# Allegro board 6089-103-RevB_76.brd (continued)
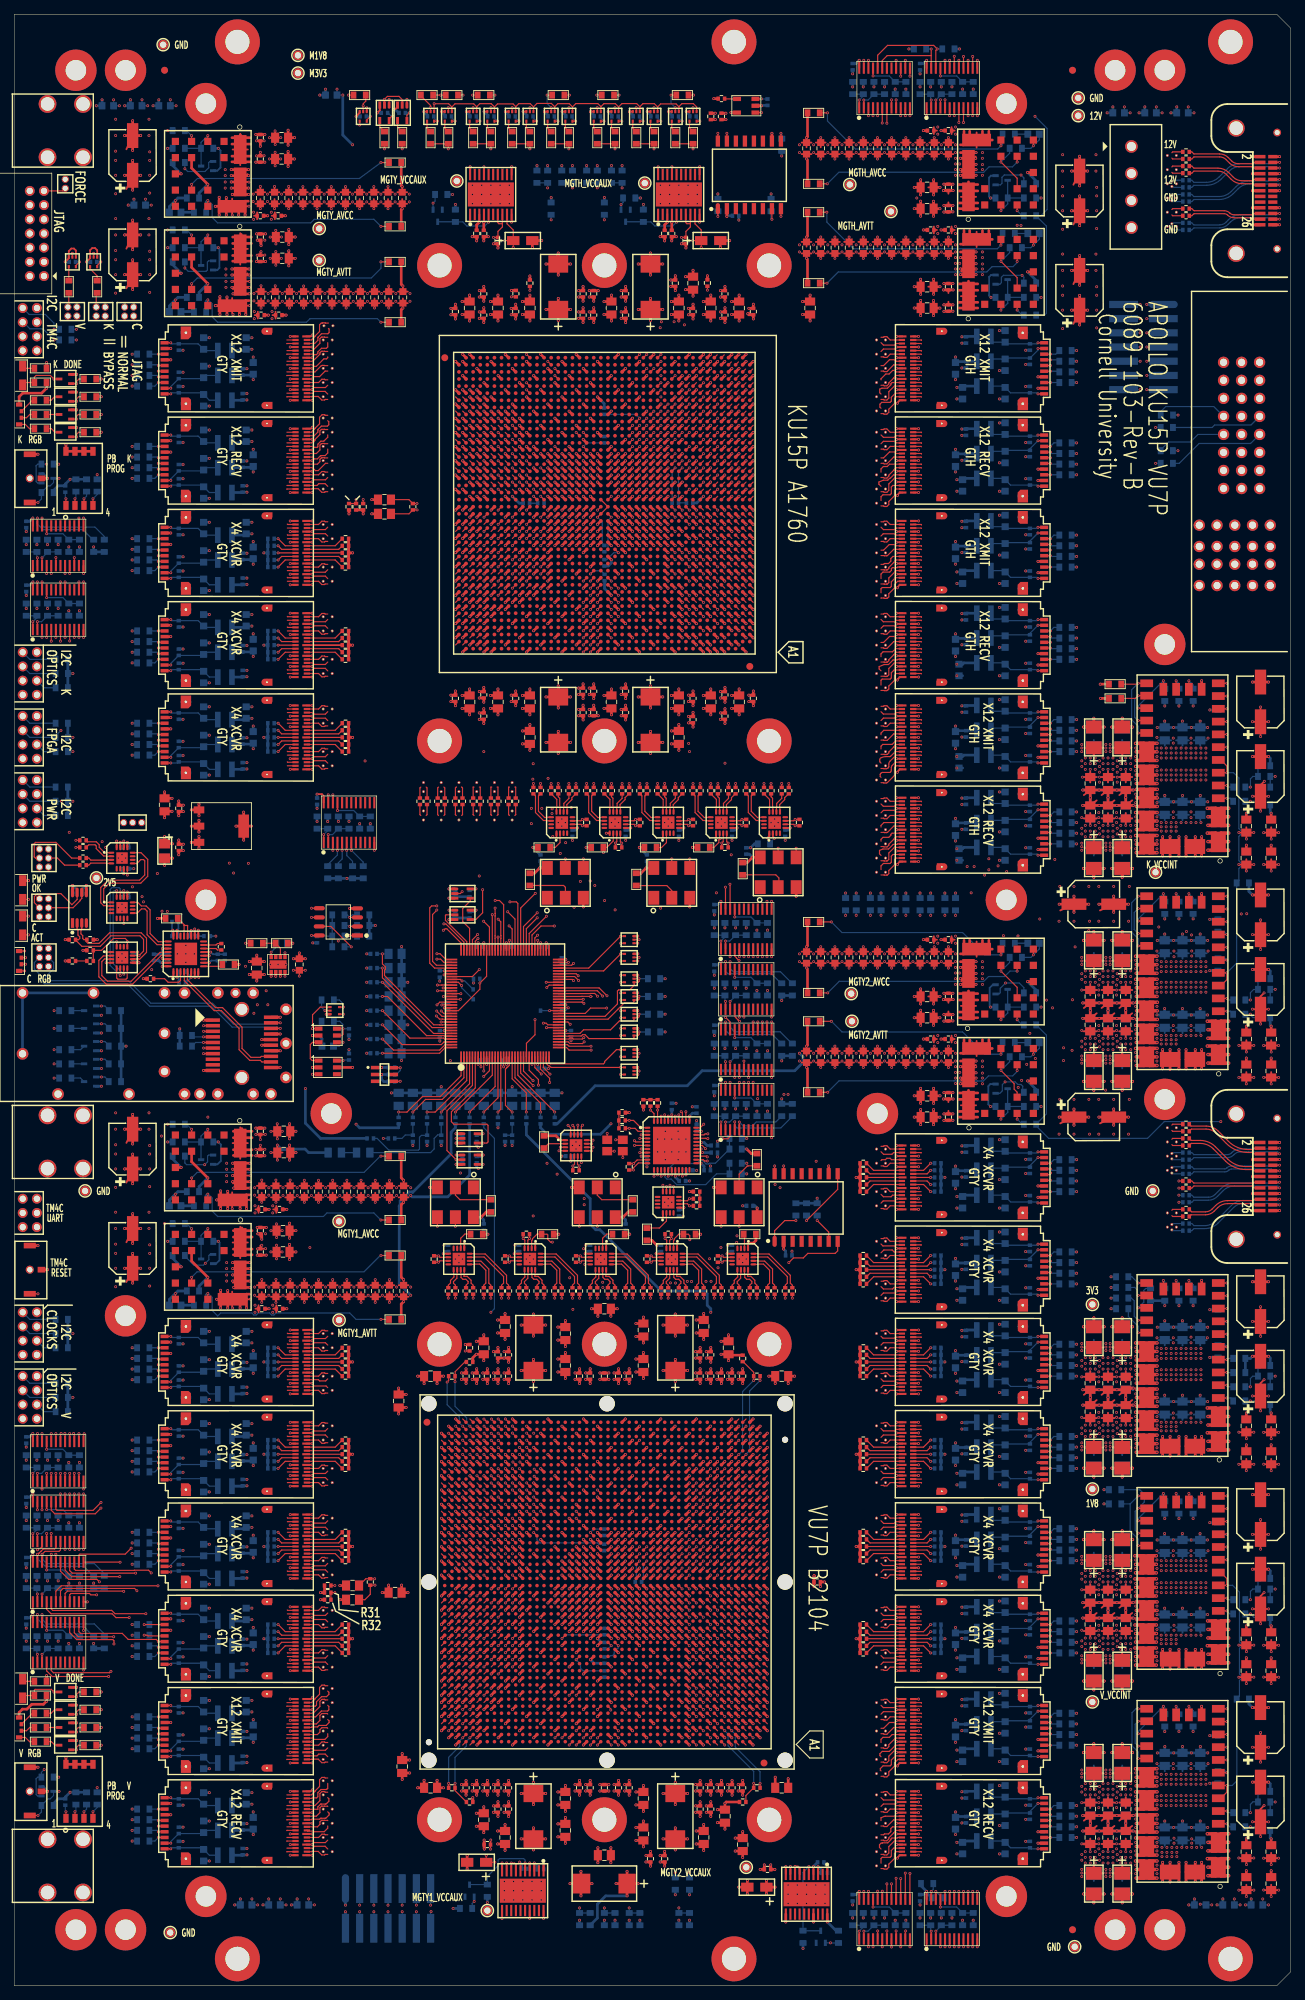
[diagram p0: board, top side]
## Routing (per net, layer and track width the routed paths; a pad name or vN(x,y) marks a point on that pad's centre or on a via; arc(x,y) is an arc through that point) (continued)
 172.81,202.06 ; P1.P2-5 171.33,202.06 ; P1.P2-5 171.33,203.54 ; P1.P2-5 173.05,202.8 ; P1.P2-5 172.07,203.78 ; P1.P2-5 172.81,203.54 ; P1.P2-5 172.07,201.82 ; VA22.3 45.22,173.9 ; VA22.3 45.02,174.31 ; VA22.3 45.16,173.58 ; VA22.3 45.25,173.71 ; VA22.3 44.84,174.28 ; VA22.3 45.16,174.22 ; VA22.3 44.84,173.52 ; VA22.3 45.25,174.09 ; 43.56,229.9 43.56,230.28 ; 43.56,229.9 43.24,229.58 ; 43.56,229.9 43.15,229.71 ; 43.56,229.9 43.15,230.09 ; 43.56,229.9 43.18,229.9 ; 43.56,229.9 43.38,229.49 ; 43.56,229.9 43.24,230.22 ; 43.56,229.9 43.56,229.52 ; 162.15,257.71 VA137.4 ; VA137.4 162.56,258.28 ; VA137.4 162.18,257.9 ; VA137.4 162.24,258.22 ; VA137.4 162.56,257.52 ; VA137.4 162.38,257.49 ; VA137.4 162.15,258.09 ; VA137.4 162.24,257.58 ; VA91.3 122.83,176.28 ; VA91.3 123.02,176.31 ; VA91.3 123.22,175.9 ; VA91.3 123.25,175.71 ; VA91.3 123.16,175.58 ; VA91.3 123.16,176.22 ; VA91.3 122.83,175.52 ; VA91.3 123.25,176.09 ; 121.24,232.22 VA65.4 ; VA65.4 121.56,231.52 ; VA65.4 121.56,232.28 ; VA65.4 121.24,231.58 ; VA65.4 121.15,232.09 ; VA65.4 121.15,231.71 ; VA65.4 121.38,231.49 ; VA65.4 121.18,231.9 ; J6.5 1.58,107.77 ; J6.5 2.07,107.28 ; J6.5 1.2,106.02 ; J6.5 1.2,107.78 ; J6.5 2.08,106.9 ; J6.5 1.87,106.23 ; J6.5 2.07,106.52 ; J6.5 1.87,107.57 ; P1.P2-10 168.05,205.8 ; P1.P2-10 167.81,206.54 ; P1.P2-10 166.33,205.06 ; P1.P2-10 166.33,206.54 ; P1.P2-10 167.81,205.06 ; P1.P2-10 167.07,204.82 ; P1.P2-10 166.09,205.8 ; P1.P2-10 167.07,206.78 ; 121.15,73.09 VA115.4 ; VA115.4 121.56,73.28 ; VA115.4 121.15,72.71 ; VA115.4 121.38,72.49 ; VA115.4 121.56,72.52 ; VA115.4 121.24,72.58 ; VA115.4 121.18,72.9 ; VA115.4 121.24,73.22 ; 121.24,222.22 VA70.4 ; VA70.4 121.15,221.71 ; VA70.4 121.18,221.9 ; VA70.4 121.56,222.28 ; VA70.4 121.38,221.49 ; VA70.4 121.15,222.09 ; VA70.4 121.56,221.52 ; VA70.4 121.24,221.58 ; 121.56,182.52 VA88.4 ; VA88.4 121.18,182.9 ; VA88.4 121.56,183.28 ; VA88.4 121.15,182.71 ; VA88.4 121.38,182.49 ; VA88.4 121.24,182.58 ; VA88.4 121.24,183.22 ; VA88.4 121.15,183.09 ; VA24.4 45.25,91.71 ; VA24.4 45.02,92.31 ; VA24.4 45.22,91.9 ; VA24.4 45.25,92.09 ; VA24.4 45.16,92.22 ; VA24.4 44.84,92.28 ; VA24.4 44.84,91.52 ; VA24.4 45.16,91.58 ; 121.24,45.22 VA124.4 ; VA124.4 121.15,45.09 ; VA124.4 121.56,45.28 ; VA124.4 121.38,44.49 ; VA124.4 121.15,44.71 ; VA124.4 121.18,44.9 ; VA124.4 121.56,44.52 ; VA124.4 121.24,44.58 ; U21.G2 24.93,210.62 ; U21.G2 23.81,208.97 ; U21.G2 24.21,210.84 ; U21.G2 23.49,209.18 ; U21.G2 23.49,210.62 ; U21.G2 24.21,208.96 ; U21.G2 24.93,209.18 ; U21.G2 25.15,209.9 ; 43.38,203.49 43.56,203.9 ; 43.56,203.9 43.24,203.58 ; 43.56,203.9 43.15,204.09 ; 43.56,203.9 43.24,204.22 ; 43.56,203.9 43.56,204.28 ; 43.56,203.9 43.18,203.9 ; 43.56,203.9 43.15,203.71 ; 43.56,203.9 43.56,203.52 ; 64.88,165.86 VA60.4 ; VA60.4 64.79,165.72 ; VA60.4 65.58,165.53 ; VA60.4 65.2,165.92 ; VA60.4 65.61,165.72 ; VA60.4 64.82,165.53 ; VA60.4 65.52,165.86 ; VA60.4 65.39,165.95 ; 121.38,175.49 VA91.4 ; VA91.4 121.56,175.52 ; VA91.4 121.24,176.22 ; VA91.4 121.24,175.58 ; VA91.4 121.15,175.71 ; VA91.4 121.18,175.9 ; VA91.4 121.56,176.28 ; VA91.4 121.15,176.09 ; VA96.3 123.22,164.9 ; VA96.3 123.16,165.22 ; VA96.3 122.83,164.52 ; VA96.3 123.25,164.71 ; VA96.3 123.25,165.09 ; VA96.3 123.16,164.58 ; VA96.3 123.02,165.31 ; VA96.3 122.83,165.28 ; 24.21,231.96 U20.G1 ; U20.G1 24.93,232.18 ; U20.G1 23.81,231.97 ; U20.G1 25.15,232.9 ; U20.G1 23.49,232.18 ; U20.G1 24.21,233.84 ; U20.G1 23.49,233.62 ; U20.G1 24.93,233.62 ; 60.2,168.26 60.52,167.94 ; 60.2,168.26 60.61,168.08 ; 60.2,168.26 60.2,167.88 ; 60.2,168.26 60.01,167.85 ; 60.2,168.26 59.88,167.94 ; 60.2,168.26 60.58,168.26 ; 60.2,168.26 59.79,168.08 ; 60.2,168.26 59.82,168.26 ; 43.15,32.09 43.56,31.9 ; 43.56,31.9 43.24,31.58 ; 43.56,31.9 43.18,31.9 ; 43.56,31.9 43.56,31.52 ; 43.56,31.9 43.15,31.71 ; 43.56,31.9 43.56,32.28 ; 43.56,31.9 43.38,31.49 ; 43.56,31.9 43.24,32.22 ; 43.56,52.52 43.56,52.9 ; 43.56,52.9 43.15,52.71 ; 43.56,52.9 43.56,53.28 ; 43.56,52.9 43.15,53.09 ; 43.56,52.9 43.38,52.49 ; 43.56,52.9 43.24,53.22 ; 43.56,52.9 43.18,52.9 ; 43.56,52.9 43.24,52.58 ; 43.18,179.9 43.56,179.9 ; 43.56,179.9 43.56,179.52 ; 43.56,179.9 43.24,180.22 ; 43.56,179.9 43.15,180.09 ; 43.56,179.9 43.24,179.58 ; 43.56,179.9 43.38,179.49 ; 43.56,179.9 43.15,179.71 ; 43.56,179.9 43.56,180.28 ; 44.84,63.52 VA33.4 ; VA33.4 45.16,64.22 ; VA33.4 45.16,63.58 ; VA33.4 45.25,63.71 ; VA33.4 45.22,63.9 ; VA33.4 44.84,64.28 ; VA33.4 45.25,64.09 ; VA33.4 45.02,64.31 ; 43.56,205.9 43.56,206.28 ; 43.56,205.9 43.18,205.9 ; 43.56,205.9 43.24,205.58 ; 43.56,205.9 43.56,205.52 ; 43.56,205.9 43.38,205.49 ; 43.56,205.9 43.24,206.22 ; 43.56,205.9 43.15,206.09 ; 43.56,205.9 43.15,205.71 ; VA94.3 123.16,169.58 ; VA94.3 123.02,170.31 ; VA94.3 123.25,170.09 ; VA94.3 123.16,170.22 ; VA94.3 122.83,169.52 ; VA94.3 122.83,170.28 ; VA94.3 123.25,169.71 ; VA94.3 123.22,169.9 ; 122.83,179.52 VA89.3 ; VA89.3 122.83,180.28 ; VA89.3 123.22,179.9 ; VA89.3 123.25,179.71 ; VA89.3 123.02,180.31 ; VA89.3 123.25,180.09 ; VA89.3 123.16,179.58 ; VA89.3 123.16,180.22 ; 121.56,115.52 VA102.3 ; VA102.3 121.56,116.28 ; VA102.3 121.38,115.49 ; VA102.3 121.18,115.9 ; VA102.3 121.24,116.22 ; VA102.3 121.15,116.09 ; VA102.3 121.24,115.58 ; VA102.3 121.15,115.71 ; 67.7,163.88 67.7,164.26 ; 67.7,164.26 67.38,163.94 ; 67.7,164.26 67.51,163.85 ; 67.7,164.26 68.08,164.26 ; 67.7,164.26 68.11,164.08 ; 67.7,164.26 67.29,164.08 ; 67.7,164.26 67.32,164.26 ; 67.7,164.26 68.02,163.94 ; 43.56,231.52 43.56,231.9 ; 43.56,231.9 43.38,231.49 ; 43.56,231.9 43.24,231.58 ; 43.56,231.9 43.56,232.28 ; 43.56,231.9 43.15,232.09 ; 43.56,231.9 43.18,231.9 ; 43.56,231.9 43.15,231.71 ; 43.56,231.9 43.24,232.22 ; VA90.4 121.56,178.28 ; VA90.4 121.24,177.58 ; VA90.4 121.15,178.09 ; VA90.4 121.38,177.49 ; VA90.4 121.24,178.22 ; VA90.4 121.56,177.52 ; VA90.4 121.18,177.9 ; VA90.4 121.15,177.71 ; VA107.3 123.16,99.22 ; VA107.3 122.83,99.28 ; VA107.3 123.16,98.58 ; VA107.3 123.02,99.31 ; VA107.3 123.22,98.9 ; VA107.3 123.25,99.09 ; VA107.3 123.25,98.71 ; VA107.3 122.83,98.52 ; 162.18,247.9 VA142.4 ; VA142.4 162.56,247.52 ; VA142.4 162.24,248.22 ; VA142.4 162.56,248.28 ; VA142.4 162.15,247.71 ; VA142.4 162.38,247.49 ; VA142.4 162.24,247.58 ; VA142.4 162.15,248.09 ; 121.24,102.58 VA106.3 ; VA106.3 121.24,103.22 ; VA106.3 121.15,102.71 ; VA106.3 121.56,102.52 ; VA106.3 121.18,102.9 ; VA106.3 121.15,103.09 ; VA106.3 121.38,102.49 ; VA106.3 121.56,103.28 ; 162.24,256.22 VA138.4 ; VA138.4 162.38,255.49 ; VA138.4 162.24,255.58 ; VA138.4 162.18,255.9 ; VA138.4 162.15,256.09 ; VA138.4 162.56,255.52 ; VA138.4 162.15,255.71 ; VA138.4 162.56,256.28 ; J17.3 158.31,250.74 ; J17.3 157.5,250.48 ; J17.3 156.69,252.35 ; J17.3 156.69,250.74 ; J17.3 157.5,252.61 ; J17.3 158.31,252.35 ; J17.3 158.57,251.54 ; J17.3 156.43,251.54 ; J2.7 2.07,230.02 ; J2.7 1.2,231.28 ; J2.7 1.87,229.73 ; J2.7 1.87,231.07 ; J2.7 2.07,230.78 ; J2.7 1.58,231.27 ; J2.7 1.2,229.52 ; J2.7 2.08,230.4 ; VA125.3 122.83,40.28 ; VA125.3 123.02,40.31 ; VA125.3 123.16,39.58 ; VA125.3 123.22,39.9 ; VA125.3 123.16,40.22 ; VA125.3 123.25,40.09 ; VA125.3 123.25,39.71 ; VA125.3 122.83,39.52 ; 27.71,139.9 U13.40 ; U13.40 29.47,140.66 ; U13.40 29.71,139.9 ; U13.40 27.95,139.14 ; U13.40 28.71,140.9 ; U13.40 28.71,138.9 ; U13.40 29.47,139.14 ; U13.40 27.95,140.66 ; VA26.3 45.25,85.71 ; VA26.3 45.25,86.09 ; VA26.3 45.16,86.22 ; VA26.3 44.84,86.28 ; VA26.3 45.16,85.58 ; VA26.3 44.84,85.52 ; VA26.3 45.22,85.9 ; VA26.3 45.02,86.31 ; 162.24,115.22 VA146.4 ; VA146.4 162.56,114.52 ; VA146.4 162.15,114.71 ; VA146.4 162.15,115.09 ; VA146.4 162.38,114.49 ; VA146.4 162.24,114.58 ; VA146.4 162.56,115.28 ; VA146.4 162.18,114.9 ; VA55.4 60.52,169.86 ; VA55.4 59.79,169.72 ; VA55.4 60.39,169.95 ; VA55.4 60.58,169.53 ; VA55.4 60.2,169.92 ; VA55.4 59.88,169.86 ; VA55.4 59.82,169.53 ; VA55.4 60.61,169.72 ; U117.G1 142.91,18.62 ; U117.G1 141.25,17.9 ; U117.G1 141.47,17.18 ; U117.G1 142.19,16.96 ; U117.G1 142.19,18.84 ; U117.G1 141.47,18.62 ; U117.G1 142.91,17.18 ; U117.G1 141.79,16.97 ; VA115.3 123.16,73.22 ; VA115.3 123.25,72.71 ; VA115.3 122.83,72.52 ; VA115.3 123.02,73.31 ; VA115.3 122.83,73.28 ; VA115.3 123.25,73.09 ; VA115.3 123.16,72.58 ; VA115.3 123.22,72.9 ; U20.G2 24.21,223.84 ; U20.G2 23.81,221.97 ; U20.G2 23.49,223.62 ; U20.G2 25.15,222.9 ; U20.G2 24.21,221.96 ; U20.G2 24.93,223.62 ; U20.G2 23.49,222.18 ; U20.G2 24.93,222.18 ; 142.19,205.96 U106.G2 ; U106.G2 141.79,205.97 ; U106.G2 142.91,206.18 ; U106.G2 141.47,207.62 ; U106.G2 141.25,206.9 ; U106.G2 142.19,207.84 ; U106.G2 142.91,207.62 ; U106.G2 141.47,206.18 ; 23.49,53.18 U28.G1 ; U28.G1 23.49,54.62 ; U28.G1 24.21,54.84 ; U28.G1 24.21,52.96 ; U28.G1 23.81,52.97 ; U28.G1 24.93,53.18 ; U28.G1 25.15,53.9 ; U28.G1 24.93,54.62 ; VA87.3 123.25,184.71 ; VA87.3 123.16,184.58 ; VA87.3 123.25,185.09 ; VA87.3 123.02,185.31 ; VA87.3 122.83,185.28 ; VA87.3 122.83,184.52 ; VA87.3 123.22,184.9 ; VA87.3 123.16,185.22 ; 121.15,66.09 VA117.3 ; VA117.3 121.56,65.52 ; VA117.3 121.18,65.9 ; VA117.3 121.56,66.28 ; VA117.3 121.24,66.22 ; VA117.3 121.15,65.71 ; VA117.3 121.24,65.58 ; VA117.3 121.38,65.49 ; VA17.4 44.84,191.28 ; VA17.4 45.25,191.09 ; VA17.4 45.22,190.9 ; VA17.4 45.16,191.22 ; VA17.4 45.25,190.71 ; VA17.4 44.84,190.52 ; VA17.4 45.02,191.31 ; VA17.4 45.16,190.58 ; 43.38,20.49 43.56,20.9 ; 43.56,20.9 43.56,21.28 ; 43.56,20.9 43.15,21.09 ; 43.56,20.9 43.24,20.58 ; 43.56,20.9 43.56,20.52 ; 43.56,20.9 43.15,20.71 ; 43.56,20.9 43.18,20.9 ; 43.56,20.9 43.24,21.22 ; 43.56,70.52 43.56,70.9 ; 43.56,70.9 43.18,70.9 ; 43.56,70.9 43.24,71.22 ; 43.56,70.9 43.38,70.49 ; 43.56,70.9 43.24,70.58 ; 43.56,70.9 43.15,71.09 ; 43.56,70.9 43.15,70.71 ; 43.56,70.9 43.56,71.28 ; J7.7 1.58,89.77 ; J7.7 1.2,89.78 ; J7.7 1.87,88.23 ; J7.7 2.08,88.9 ; J7.7 1.87,89.57 ; J7.7 2.07,88.52 ; J7.7 1.2,88.02 ; J7.7 2.07,89.28 ; U108.G2 142.91,180.18 ; U108.G2 141.25,180.9 ; U108.G2 142.19,181.84 ; U108.G2 141.79,179.97 ; U108.G2 141.47,181.62 ; U108.G2 142.19,179.96 ; U108.G2 142.91,181.62 ; U108.G2 141.47,180.18 ; VA76.3 123.22,208.9 ; VA76.3 122.83,208.52 ; VA76.3 123.25,208.71 ; VA76.3 123.02,209.31 ; VA76.3 122.83,209.28 ; VA76.3 123.16,209.22 ; VA76.3 123.25,209.09 ; VA76.3 123.16,208.58 ; 20.52,140.57 U13.38 ; U13.38 21.86,139.23 ; U13.38 20.52,139.23 ; U13.38 21.19,139.02 ; U13.38 22.07,139.9 ; U13.38 21.19,140.78 ; U13.38 21.86,140.57 ; U13.38 20.32,139.9 ; 121.24,209.22 VA76.4 ; VA76.4 121.56,208.52 ; VA76.4 121.24,208.58 ; VA76.4 121.56,209.28 ; VA76.4 121.18,208.9 ; VA76.4 121.15,209.09 ; VA76.4 121.15,208.71 ; VA76.4 121.38,208.49 ; J6.1 2.07,111.28 ; J6.1 2.08,110.9 ; J6.1 1.87,110.23 ; J6.1 1.87,111.57 ; J6.1 1.2,110.02 ; J6.1 1.2,111.78 ; J6.1 2.07,110.52 ; J6.1 1.58,111.77 ; VA41.4 45.16,39.58 ; VA41.4 45.22,39.9 ; VA41.4 45.16,40.22 ; VA41.4 45.25,40.09 ; VA41.4 44.84,39.52 ; VA41.4 45.02,40.31 ; VA41.4 45.25,39.71 ; VA41.4 44.84,40.28 ; 121.56,179.52 VA89.4 ; VA89.4 121.38,179.49 ; VA89.4 121.15,179.71 ; VA89.4 121.24,180.22 ; VA89.4 121.15,180.09 ; VA89.4 121.56,180.28 ; VA89.4 121.24,179.58 ; VA89.4 121.18,179.9 ; 121.15,173.71 VA92.4 ; VA92.4 121.56,173.52 ; VA92.4 121.15,174.09 ; VA92.4 121.24,174.22 ; VA92.4 121.24,173.58 ; VA92.4 121.18,173.9 ; VA92.4 121.56,174.28 ; VA92.4 121.38,173.49 ; 43.15,38.09 43.56,37.9 ; 43.56,37.9 43.15,37.71 ; 43.56,37.9 43.56,38.28 ; 43.56,37.9 43.56,37.52 ; 43.56,37.9 43.18,37.9 ; 43.56,37.9 43.24,37.58 ; 43.56,37.9 43.38,37.49 ; 43.56,37.9 43.24,38.22 ; VA66.3 123.02,230.31 ; VA66.3 123.22,229.9 ; VA66.3 122.83,230.28 ; VA66.3 123.25,229.71 ; VA66.3 123.16,229.58 ; VA66.3 123.25,230.09 ; VA66.3 123.16,230.22 ; VA66.3 122.83,229.52 ; 121.56,225.52 VA68.4 ; VA68.4 121.18,225.9 ; VA68.4 121.24,226.22 ; VA68.4 121.56,226.28 ; VA68.4 121.15,226.09 ; VA68.4 121.24,225.58 ; VA68.4 121.38,225.49 ; VA68.4 121.15,225.71 ; 59.88,165.86 VA56.4 ; VA56.4 60.2,165.92 ; VA56.4 60.58,165.53 ; VA56.4 60.61,165.72 ; VA56.4 60.52,165.86 ; VA56.4 59.82,165.53 ; VA56.4 59.79,165.72 ; VA56.4 60.39,165.95 ; VA95.3 123.22,166.9 ; VA95.3 123.02,167.31 ; VA95.3 123.16,166.58 ; VA95.3 123.25,167.09 ; VA95.3 122.83,167.28 ; VA95.3 123.16,167.22 ; VA95.3 122.83,166.52 ; VA95.3 123.25,166.71 ; VA28.4 44.84,79.28 ; VA28.4 45.16,78.58 ; VA28.4 45.22,78.9 ; VA28.4 45.16,79.22 ; VA28.4 44.84,78.52 ; VA28.4 45.25,79.09 ; VA28.4 45.02,79.31 ; VA28.4 45.25,78.71 ; 43.56,39.52 43.56,39.9 ; 43.56,39.9 43.24,40.22 ; 43.56,39.9 43.56,40.28 ; 43.56,39.9 43.24,39.58 ; 43.56,39.9 43.18,39.9 ; 43.56,39.9 43.38,39.49 ; 43.56,39.9 43.15,39.71 ; 43.56,39.9 43.15,40.09 ; 43.15,65.71 43.56,65.9 ; 43.56,65.9 43.24,66.22 ; 43.56,65.9 43.56,65.52 ; 43.56,65.9 43.15,66.09 ; 43.56,65.9 43.38,65.49 ; 43.56,65.9 43.24,65.58 ; 43.56,65.9 43.56,66.28 ; 43.56,65.9 43.18,65.9 ; VA98.4 121.56,161.28 ; VA98.4 121.24,160.58 ; VA98.4 121.15,161.09 ; VA98.4 121.38,160.49 ; VA98.4 121.18,160.9 ; VA98.4 121.24,161.22 ; VA98.4 121.56,160.52 ; VA98.4 121.15,160.71 ; VA48.4 45.25,24.71 ; VA48.4 44.84,25.28 ; VA48.4 45.16,24.58 ; VA48.4 45.16,25.22 ; VA48.4 44.84,24.52 ; VA48.4 45.02,25.31 ; VA48.4 45.22,24.9 ; VA48.4 45.25,25.09 ; 121.24,59.58 VA119.4 ; VA119.4 121.38,59.49 ; VA119.4 121.56,60.28 ; VA119.4 121.24,60.22 ; VA119.4 121.15,59.71 ; VA119.4 121.15,60.09 ; VA119.4 121.56,59.52 ; VA119.4 121.18,59.9 ; VA72.4 121.56,217.28 ; VA72.4 121.56,216.52 ; VA72.4 121.15,216.71 ; VA72.4 121.18,216.9 ; VA72.4 121.24,216.58 ; VA72.4 121.15,217.09 ; VA72.4 121.38,216.49 ; VA72.4 121.24,217.22 ; VA46.4 45.22,28.9 ; VA46.4 45.16,28.58 ; VA46.4 45.16,29.22 ; VA46.4 44.84,28.52 ; VA46.4 44.84,29.28 ; VA46.4 45.25,28.71 ; VA46.4 45.02,29.31 ; VA46.4 45.25,29.09 ; 28.71,124.65 U13.28 ; U13.28 27.71,125.65 ; U13.28 29.71,125.65 ; U13.28 27.95,124.89 ; U13.28 29.47,126.41 ; U13.28 28.71,126.65 ; U13.28 27.95,126.41 ; U13.28 29.47,124.89 ; VA132.3 123.22,24.9 ; VA132.3 123.25,24.71 ; VA132.3 122.83,25.28 ; VA132.3 123.16,25.22 ; VA132.3 123.25,25.09 ; VA132.3 123.16,24.58 ; VA132.3 123.02,25.31 ; VA132.3 122.83,24.52 ; VA112.3 123.25,84.09 ; VA112.3 122.83,84.28 ; VA112.3 122.83,83.52 ; VA112.3 123.25,83.71 ; VA112.3 123.16,84.22 ; VA112.3 123.22,83.9 ; VA112.3 123.02,84.31 ; VA112.3 123.16,83.58 ; VA13.4 45.16,203.58 ; VA13.4 44.84,203.52 ; VA13.4 45.22,203.9 ; VA13.4 45.16,204.22 ; VA13.4 44.84,204.28 ; VA13.4 45.25,204.09 ; VA13.4 45.02,204.31 ; VA13.4 45.25,203.71 ; 35.53,126.32 U13.26 ; U13.26 36.87,124.98 ; U13.26 36.2,126.53 ; U13.26 35.53,124.98 ; U13.26 36.87,126.32 ; U13.26 35.33,125.65 ; U13.26 37.08,125.65 ; U13.26 36.2,124.77 ; J4.7 1.87,172.23 ; J4.7 1.2,172.02 ; J4.7 2.07,173.28 ; J4.7 2.08,172.9 ; J4.7 1.58,173.77 ; J4.7 2.07,172.52 ; J4.7 1.2,173.78 ; J4.7 1.87,173.57 ; P1.P2-7 170.31,202.06 ; P1.P2-7 170.31,203.54 ; P1.P2-7 168.59,202.8 ; P1.P2-7 168.83,203.54 ; P1.P2-7 169.57,201.82 ; P1.P2-7 169.57,203.78 ; P1.P2-7 168.83,202.06 ; P1.P2-7 170.55,202.8 ; PM26.1 22.88,7.5 ; PM26.1 21.33,8.17 ; PM26.1 22,8.38 ; PM26.1 22,6.62 ; PM26.1 22.67,6.83 ; PM26.1 21.33,6.83 ; PM26.1 21.12,7.5 ; PM26.1 22.67,8.17 ; VA111.3 123.16,86.22 ; VA111.3 123.25,86.09 ; VA111.3 123.25,85.71 ; VA111.3 122.83,85.52 ; VA111.3 123.16,85.58 ; VA111.3 123.22,85.9 ; VA111.3 122.83,86.28 ; VA111.3 123.02,86.31 ; 43.15,220.71 43.56,220.9 ; 43.56,220.9 43.24,221.22 ; 43.56,220.9 43.38,220.49 ; 43.56,220.9 43.15,221.09 ; 43.56,220.9 43.18,220.9 ; 43.56,220.9 43.56,220.52 ; 43.56,220.9 43.56,221.28 ; 43.56,220.9 43.24,220.58 ; 121.15,228.09 VA67.4 ; VA67.4 121.15,227.71 ; VA67.4 121.38,227.49 ; VA67.4 121.56,227.52 ; VA67.4 121.56,228.28 ; VA67.4 121.18,227.9 ; VA67.4 121.24,228.22 ; VA67.4 121.24,227.58 ; VA101.3 121.56,118.28 ; VA101.3 121.18,117.9 ; VA101.3 121.15,117.71 ; VA101.3 121.24,118.22 ; VA101.3 121.24,117.58 ; VA101.3 121.38,117.49 ; VA101.3 121.56,117.52 ; VA101.3 121.15,118.09 ; 14.89,163.36 J16.1 ; J16.1 15.97,163.36 ; J16.1 14.74,163.9 ; J16.1 14.89,164.44 ; J16.1 15.97,164.44 ; J16.1 15.43,164.59 ; J16.1 15.13,163.21 ; J16.1 15.43,163.21
  GND5 w0.254: 44.84,35.52 VA43.4 ; VA43.4 45.16,36.22 ; VA43.4 44.84,36.28 ; VA43.4 45.25,35.71 ; VA43.4 45.02,36.31 ; VA43.4 45.16,35.58 ; VA43.4 45.25,36.09 ; VA43.4 45.22,35.9 ; VA112.3 123.22,83.9 ; VA112.3 122.83,84.28 ; VA112.3 123.16,84.22 ; VA112.3 123.25,84.09 ; VA112.3 123.16,83.58 ; VA112.3 123.02,84.31 ; VA112.3 122.83,83.52 ; VA112.3 123.25,83.71 ; 43.18,76.9 43.56,76.9 ; 43.56,76.9 43.24,77.22 ; 43.56,76.9 43.56,77.28 ; 43.56,76.9 43.38,76.49 ; 43.56,76.9 43.24,76.58 ; 43.56,76.9 43.15,77.09 ; 43.56,76.9 43.15,76.71 ; 43.56,76.9 43.56,76.52 ; VA17.4 45.16,191.22 ; VA17.4 45.02,191.31 ; VA17.4 45.16,190.58 ; VA17.4 45.22,190.9 ; VA17.4 45.25,190.71 ; VA17.4 44.84,191.28 ; VA17.4 45.25,191.09 ; VA17.4 44.84,190.52 ; VA7.4 45.02,219.31 ; VA7.4 45.16,218.58 ; VA7.4 44.84,219.28 ; VA7.4 45.22,218.9 ; VA7.4 45.16,219.22 ; VA7.4 45.25,218.71 ; VA7.4 45.25,219.09 ; VA7.4 44.84,218.52 ; 121.18,76.9 VA114.3 ; VA114.3 121.15,76.71 ; VA114.3 121.15,77.09 ; VA114.3 121.56,77.28 ; VA114.3 121.56,76.52 ; VA114.3 121.38,76.49 ; VA114.3 121.24,77.22 ; VA114.3 121.24,76.58 ; 3.53,241.57 J1.1 ; J1.1 4.87,240.23 ; J1.1 3.32,240.9 ; J1.1 4.2,240.02 ; J1.1 3.53,240.23 ; J1.1 4.2,241.78 ; J1.1 4.87,241.57 ; J1.1 5.08,240.9 ; 159.83,111.33 PM24.1 ; PM24.1 161.38,112 ; PM24.1 160.5,112.88 ; PM24.1 159.83,112.67 ; PM24.1 159.62,112 ; PM24.1 161.17,111.33 ; PM24.1 160.5,111.12 ; PM24.1 161.17,112.67 ; 30.51,139.21 U13.21 ; U13.21 31.89,140.59 ; U13.21 32.1,139.9 ; U13.21 31.2,140.8 ; U13.21 30.51,140.59 ; U13.21 31.2,139 ; U13.21 30.3,139.9 ; U13.21 31.89,139.21 ; VA4.4 45.22,225.9 ; VA4.4 44.84,225.52 ; VA4.4 45.25,226.09 ; VA4.4 45.16,225.58 ; VA4.4 45.02,226.31 ; VA4.4 44.84,226.28 ; VA4.4 45.16,226.22 ; VA4.4 45.25,225.71 ; 141.47,194.62 U107.G2 ; U107.G2 141.25,193.9 ; U107.G2 141.47,193.18 ; U107.G2 142.91,193.18 ; U107.G2 142.19,194.84 ; U107.G2 142.19,192.96 ; U107.G2 142.91,194.62 ; U107.G2 141.79,192.97 ; 141.25,27.9 U117.G2 ; U117.G2 142.19,26.96 ; U117.G2 141.79,26.97 ; U117.G2 142.91,27.18 ; U117.G2 141.47,27.18 ; U117.G2 142.91,28.62 ; U117.G2 142.19,28.84 ; U117.G2 141.47,28.62 ; 122.83,65.52 VA117.4 ; VA117.4 123.02,66.31 ; VA117.4 123.16,65.58 ; VA117.4 123.16,66.22 ; VA117.4 123.25,65.71 ; VA117.4 123.22,65.9 ; VA117.4 122.83,66.28 ; VA117.4 123.25,66.09 ; VA69.3 123.22,223.9 ; VA69.3 122.83,224.28 ; VA69.3 123.02,224.31 ; VA69.3 123.16,224.22 ; VA69.3 123.25,223.71 ; VA69.3 123.25,224.09 ; VA69.3 122.83,223.52 ; VA69.3 123.16,223.58 ; 162.15,256.09 VA138.4 ; VA138.4 162.15,255.71 ; VA138.4 162.24,256.22 ; VA138.4 162.56,256.28 ; VA138.4 162.18,255.9 ; VA138.4 162.56,255.52 ; VA138.4 162.38,255.49 ; VA138.4 162.24,255.58 ; VA90.3 123.02,178.31 ; VA90.3 123.25,177.71 ; VA90.3 123.22,177.9 ; VA90.3 123.16,178.22 ; VA90.3 123.16,177.58 ; VA90.3 122.83,177.52 ; VA90.3 122.83,178.28 ; VA90.3 123.25,178.09 ; 173.83,205.06 P1.P2-4 ; P1.P2-4 175.31,205.06 ; P1.P2-4 174.57,206.78 ; P1.P2-4 175.31,206.54 ; P1.P2-4 174.57,204.82 ; P1.P2-4 175.55,205.8 ; P1.P2-4 173.59,205.8 ; P1.P2-4 173.83,206.54 ; 20.32,134.21 U13.36 ; U13.36 20.52,133.54 ; U13.36 22.07,134.21 ; U13.36 21.86,133.54 ; U13.36 20.52,134.88 ; U13.36 21.86,134.88 ; U13.36 21.19,135.09 ; U13.36 21.19,133.33 ; 121.24,174.22 VA92.4 ; VA92.4 121.56,174.28 ; VA92.4 121.56,173.52 ; VA92.4 121.18,173.9 ; VA92.4 121.24,173.58 ; VA92.4 121.15,174.09 ; VA92.4 121.38,173.49 ; VA92.4 121.15,173.71 ; U29.G2 25.15,30.9 ; U29.G2 24.93,30.18 ; U29.G2 23.81,29.97 ; U29.G2 24.21,31.84 ; U29.G2 23.49,30.18 ; U29.G2 24.21,29.96 ; U29.G2 23.49,31.62 ; U29.G2 24.93,31.62 ; J8.8 3.87,79.23 ; J8.8 2.53,79.23 ; J8.8 3.2,79.02 ; J8.8 3.87,80.57 ; J8.8 2.32,79.9 ; J8.8 3.2,80.78 ; J8.8 4.08,79.9 ; J8.8 2.53,80.57 ; VA123.3 122.83,47.28 ; VA123.3 123.22,46.9 ; VA123.3 122.83,46.52 ; VA123.3 123.02,47.31 ; VA123.3 123.16,46.58 ; VA123.3 123.16,47.22 ; VA123.3 123.25,47.09 ; VA123.3 123.25,46.71 ; VA77.3 123.16,206.22 ; VA77.3 123.25,205.71 ; VA77.3 123.16,205.58 ; VA77.3 122.83,205.52 ; VA77.3 122.83,206.28 ; VA77.3 123.25,206.09 ; VA77.3 123.22,205.9 ; VA77.3 123.02,206.31 ; VA24.4 45.25,92.09 ; VA24.4 45.22,91.9 ; VA24.4 45.02,92.31 ; VA24.4 45.25,91.71 ; VA24.4 44.84,92.28 ; VA24.4 45.16,91.58 ; VA24.4 45.16,92.22 ; VA24.4 44.84,91.52 ; 43.18,171.9 43.56,171.9 ; 43.56,171.9 43.15,171.71 ; 43.56,171.9 43.24,171.58 ; 43.56,171.9 43.38,171.49 ; 43.56,171.9 43.24,172.22 ; 43.56,171.9 43.15,172.09 ; 43.56,171.9 43.56,171.52 ; 43.56,171.9 43.56,172.28 ; VA55.4 60.58,169.53 ; VA55.4 60.61,169.72 ; VA55.4 60.2,169.92 ; VA55.4 60.52,169.86 ; VA55.4 60.39,169.95 ; VA55.4 59.88,169.86 ; VA55.4 59.79,169.72 ; VA55.4 59.82,169.53 ; VA71.3 123.16,218.58 ; VA71.3 122.83,219.28 ; VA71.3 123.25,219.09 ; VA71.3 123.22,218.9 ; VA71.3 123.16,219.22 ; VA71.3 123.02,219.31 ; VA71.3 122.83,218.52 ; VA71.3 123.25,218.71 ; U116.G1 142.19,31.84 ; U116.G1 141.47,30.18 ; U116.G1 142.91,30.18 ; U116.G1 142.19,29.96 ; U116.G1 141.79,29.97 ; U116.G1 141.25,30.9 ; U116.G1 141.47,31.62 ; U116.G1 142.91,31.62 ; 121.56,166.52 VA95.4 ; VA95.4 121.15,166.71 ; VA95.4 121.24,166.58 ; VA95.4 121.15,167.09 ; VA95.4 121.24,167.22 ; VA95.4 121.38,166.49 ; VA95.4 121.18,166.9 ; VA95.4 121.56,167.28 ; J5.7 1.87,163.23 ; J5.7 1.58,164.77 ; J5.7 1.2,163.02 ; J5.7 1.87,164.57 ; J5.7 2.07,163.52 ; J5.7 2.08,163.9 ; J5.7 2.07,164.28 ; J5.7 1.2,164.78 ; VA42.4 45.02,38.31 ; VA42.4 45.16,37.58 ; VA42.4 45.16,38.22 ; VA42.4 44.84,38.28 ; VA42.4 44.84,37.52 ; VA42.4 45.25,37.71 ; VA42.4 45.25,38.09 ; VA42.4 45.22,37.9 ; P1.P2-7 170.31,202.06 ; P1.P2-7 168.59,202.8 ; P1.P2-7 170.55,202.8 ; P1.P2-7 168.83,203.54 ; P1.P2-7 169.57,203.78 ; P1.P2-7 168.83,202.06 ; P1.P2-7 170.31,203.54 ; P1.P2-7 169.57,201.82 ; 20.52,128.16 U13.37 ; U13.37 21.86,128.16 ; U13.37 20.32,128.83 ; U13.37 20.52,129.5 ; U13.37 21.86,129.5 ; U13.37 22.07,128.83 ; U13.37 21.19,129.7 ; U13.37 21.19,127.95 ; J16.1 15.97,164.44 ; J16.1 15.43,164.59 ; J16.1 15.43,163.21 ; J16.1 15.13,163.21 ; J16.1 14.89,164.44 ; J16.1 14.89,163.36 ; J16.1 15.97,163.36 ; J16.1 14.74,163.9 ; VA19.3 45.25,185.09 ; VA19.3 45.22,184.9 ; VA19.3 45.16,185.22 ; VA19.3 44.84,184.52 ; VA19.3 45.02,185.31 ; VA19.3 44.84,185.28 ; VA19.3 45.16,184.58 ; VA19.3 45.25,184.71 ; VA44.4 45.25,34.09 ; VA44.4 44.84,33.52 ; VA44.4 45.02,34.31 ; VA44.4 45.25,33.71 ; VA44.4 45.16,34.22 ; VA44.4 45.22,33.9 ; VA44.4 45.16,33.58 ; VA44.4 44.84,34.28 ; 141.47,95.18 U111.G1 ; U111.G1 142.91,95.18 ; U111.G1 142.19,94.96 ; U111.G1 141.79,94.97 ; U111.G1 142.91,96.62 ; U111.G1 142.19,96.84 ; U111.G1 141.47,96.62 ; U111.G1 141.25,95.9 ; 121.24,195.58 VA82.4 ; VA82.4 121.56,196.28 ; VA82.4 121.24,196.22 ; VA82.4 121.56,195.52 ; VA82.4 121.15,195.71 ; VA82.4 121.15,196.09 ; VA82.4 121.18,195.9 ; VA82.4 121.38,195.49 ; 23.49,207.62 U22.G1 ; U22.G1 23.49,206.18 ; U22.G1 24.21,207.84 ; U22.G1 24.93,207.62 ; U22.G1 25.15,206.9 ; U22.G1 24.21,205.96 ; U22.G1 24.93,206.18 ; U22.G1 23.81,205.97 ; U114.G1 142.91,57.62 ; U114.G1 142.19,57.84 ; U114.G1 141.47,57.62 ; U114.G1 141.47,56.18 ; U114.G1 141.25,56.9 ; U114.G1 141.79,55.97 ; U114.G1 142.91,56.18 ; U114.G1 142.19,55.96 ; 122.83,227.52 VA67.3 ; VA67.3 123.25,227.71 ; VA67.3 123.16,227.58 ; VA67.3 123.25,228.09 ; VA67.3 123.22,227.9 ; VA67.3 123.02,228.31 ; VA67.3 122.83,228.28 ; VA67.3 123.16,228.22 ; U28.G2 25.15,43.9 ; U28.G2 24.93,43.18 ; U28.G2 24.93,44.62 ; U28.G2 24.21,44.84 ; U28.G2 23.49,44.62 ; U28.G2 23.81,42.97 ; U28.G2 23.49,43.18 ; U28.G2 24.21,42.96 ; 121.56,111.52 VA103.4 ; VA103.4 121.15,112.09 ; VA103.4 121.38,111.49 ; VA103.4 121.24,111.58 ; VA103.4 121.18,111.9 ; VA103.4 121.56,112.28 ; VA103.4 121.15,111.71 ; VA103.4 121.24,112.22 ; VA13.4 45.25,203.71 ; VA13.4 45.16,203.58 ; VA13.4 45.02,204.31 ; VA13.4 45.16,204.22 ; VA13.4 44.84,204.28 ; VA13.4 45.22,203.9 ; VA13.4 45.25,204.09 ; VA13.4 44.84,203.52 ; VA1.4 44.84,232.28 ; VA1.4 45.25,231.71 ; VA1.4 44.84,231.52 ; VA1.4 45.16,231.58 ; VA1.4 45.02,232.31 ; VA1.4 45.22,231.9 ; VA1.4 45.25,232.09 ; VA1.4 45.16,232.22 ; 141.79,91.97 U112.G2 ; U112.G2 141.25,92.9 ; U112.G2 142.19,93.84 ; U112.G2 142.19,91.96 ; U112.G2 142.91,93.62 ; U112.G2 142.91,92.18 ; U112.G2 141.47,92.18 ; U112.G2 141.47,93.62 ; P1.13 173.03,222.11 ; P1.13 173.03,220.15 ; P1.13 172.29,221.87 ; P1.13 172.05,221.13 ; P1.13 174.01,221.13 ; P1.13 173.77,221.87 ; P1.13 173.77,220.39 ; P1.13 172.29,220.39 ; 121.24,84.22 VA112.4 ; VA112.4 121.56,84.28 ; VA112.4 121.15,84.09 ; VA112.4 121.38,83.49 ; VA112.4 121.15,83.71 ; VA112.4 121.24,83.58 ; VA112.4 121.56,83.52 ; VA112.4 121.18,83.9 ; VA34.3 45.16,59.58 ; VA34.3 45.25,59.71 ; VA34.3 45.22,59.9 ; VA34.3 44.84,60.28 ; VA34.3 44.84,59.52 ; VA34.3 45.02,60.31 ; VA34.3 45.16,60.22 ; VA34.3 45.25,60.09 ; VA45.4 45.16,31.58 ; VA45.4 45.22,31.9 ; VA45.4 44.84,31.52 ; VA45.4 45.25,32.09 ; VA45.4 45.16,32.22 ; VA45.4 45.25,31.71 ; VA45.4 44.84,32.28 ; VA45.4 45.02,32.31 ; 43.24,79.22 43.56,78.9 ; 43.56,78.9 43.15,79.09 ; 43.56,78.9 43.56,78.52 ; 43.56,78.9 43.24,78.58 ; 43.56,78.9 43.56,79.28 ; 43.56,78.9 43.38,78.49 ; 43.56,78.9 43.15,78.71 ; 43.56,78.9 43.18,78.9 ; 162.15,117.09 VA145.4 ; VA145.4 162.56,117.28 ; VA145.4 162.56,116.52 ; VA145.4 162.24,117.22 ; VA145.4 162.38,116.49 ; VA145.4 162.24,116.58 ; VA145.4 162.15,116.71 ; VA145.4 162.18,116.9 ; VA6.4 45.16,220.58 ; VA6.4 44.84,220.52 ; VA6.4 45.16,221.22 ; VA6.4 45.22,220.9 ; VA6.4 45.02,221.31 ; VA6.4 45.25,220.71 ; VA6.4 45.25,221.09 ; VA6.4 44.84,221.28 ; VA10.4 45.16,213.22 ; VA1